# Altium PCB LimeSDR-X3_1v2.PcbDoc (part 13 of 25)
Units mm, origin at the board's own origin, x right, y up, seen from the top; angles counter-clockwise.
Board outline 232.5 x 111.15 mm, 12 copper layers (Top, L2, L3, L4, L5, L6, L7, L8, L9, L10, L11, Bottom), stack 1.596 mm thick; 2084 components, 1388 nets, 8919 pads, 3667 vias.
Unrouted connection lines stored in the file: 1.
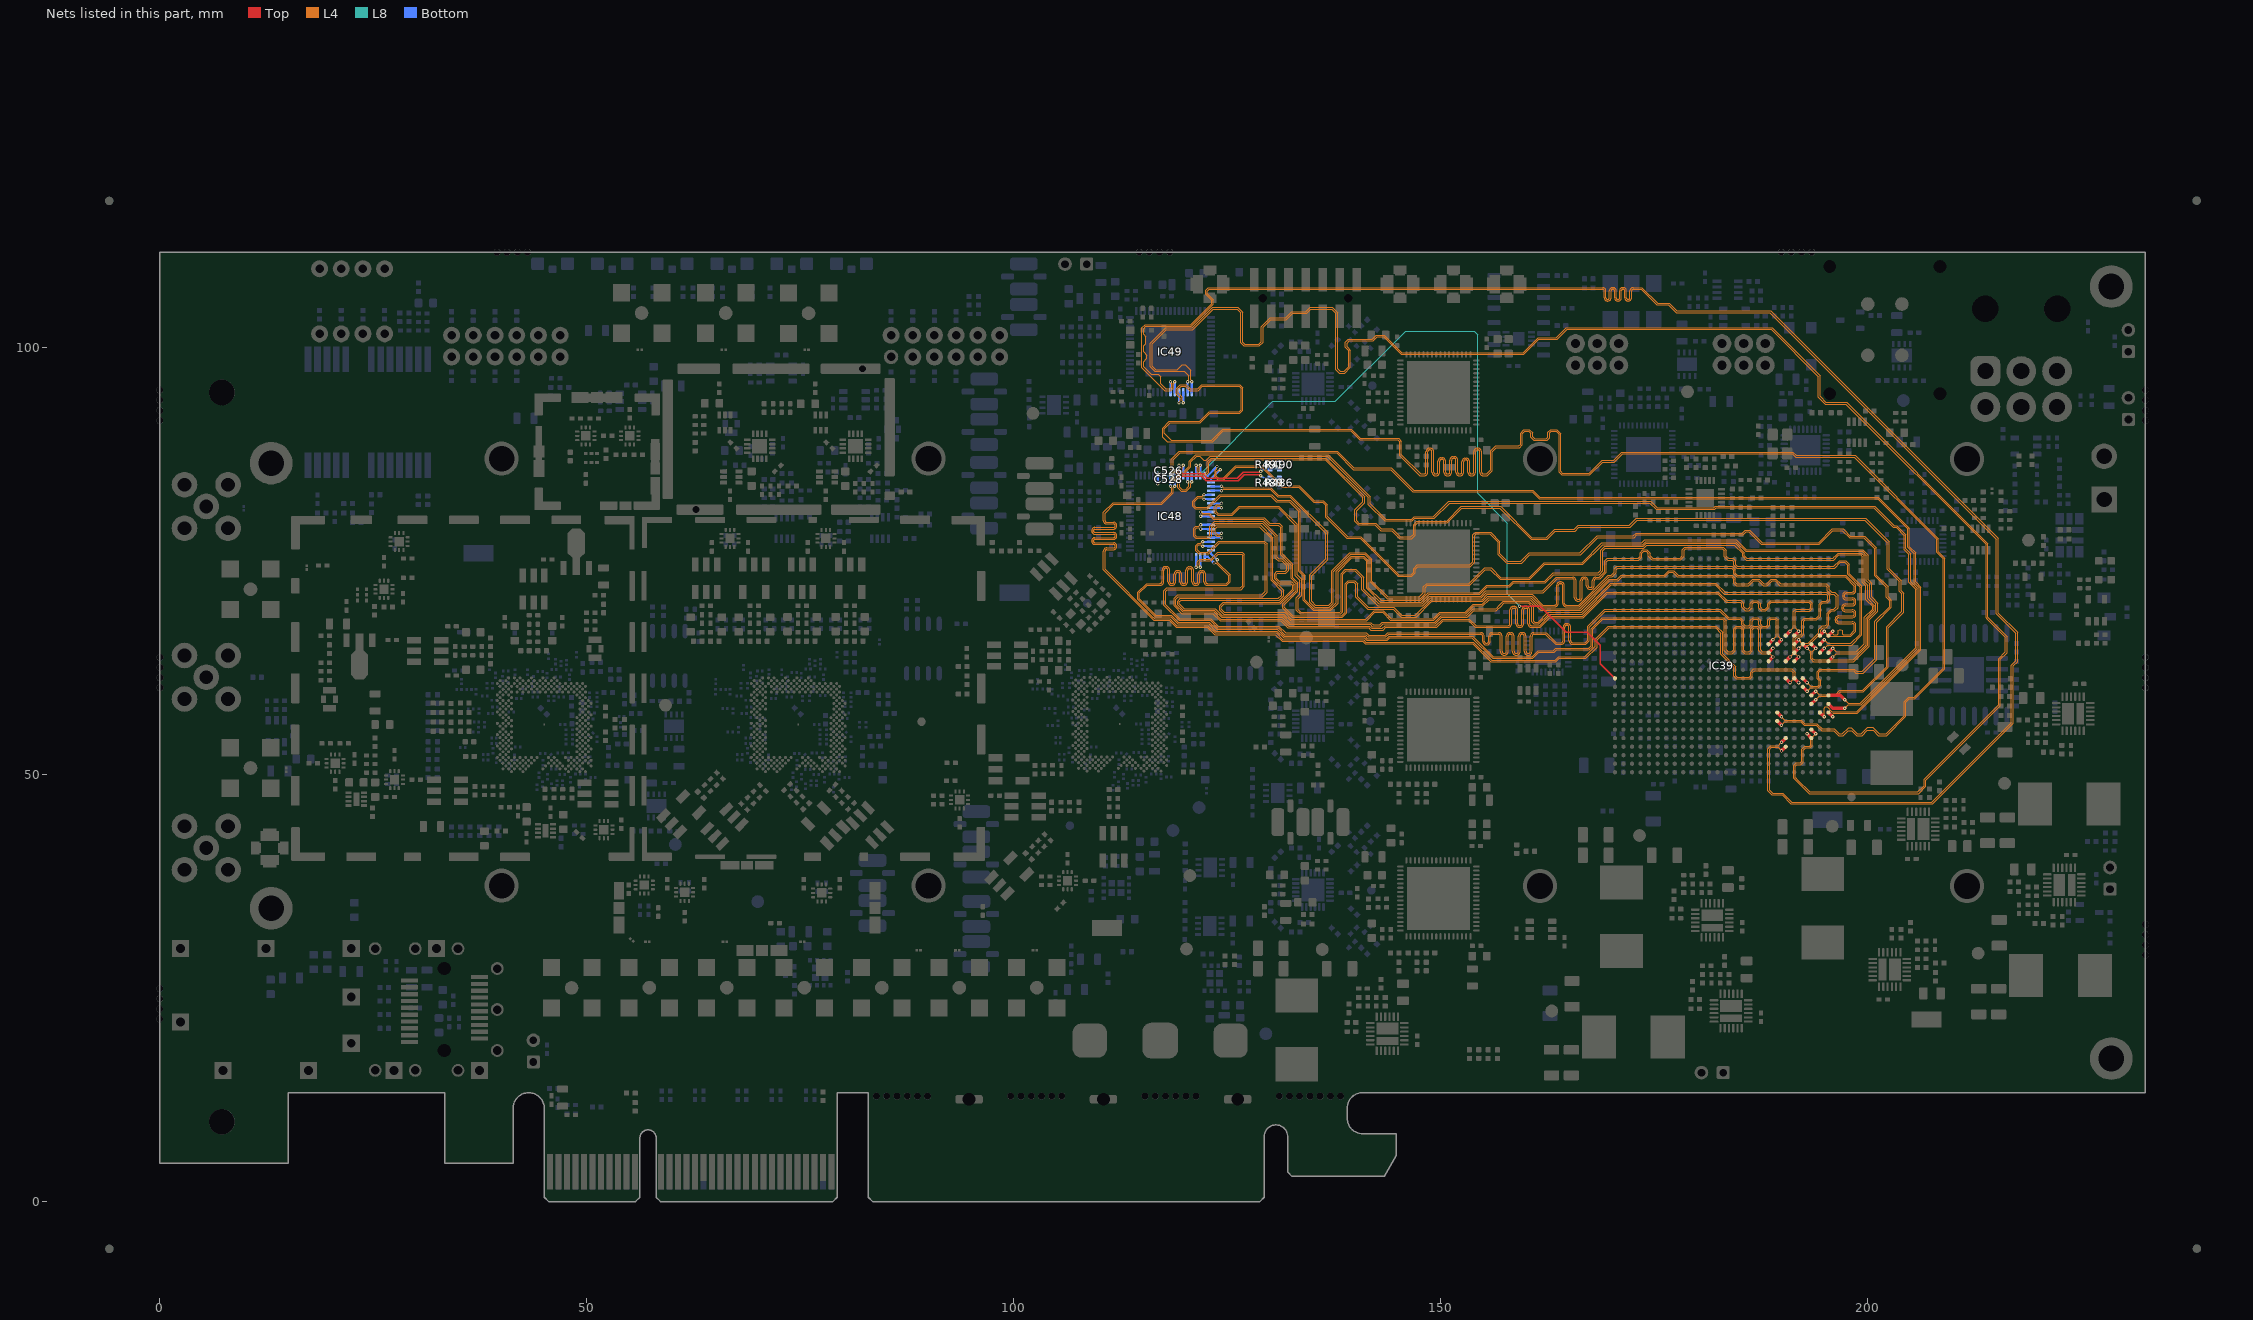
[diagram p23: the nets of this part, all layers, seen from the top]

## Via types
v1: diameter 0.4, hole 0.2, Top to Bottom, tented both sides, 3084 vias
v2: diameter 0.35, hole 0.2, Top to Bottom, tented both sides, 272 vias
v3: diameter 0.5, hole 0.2, Top to Bottom, tented bottom, 196 vias
v4: diameter 0.5, hole 0.2, Top to Bottom, tented both sides, 102 vias
v5: diameter 0.8, hole 0.4, Top to Bottom, tented both sides, 12 vias
v6: diameter 0.6, hole 0.3, Top to Bottom, tented both sides, 1 vias

## Nets (pads, with @x,y where several pads share a name; then routed paths per layer and width w, separated by ;. In a path a pad name is that pad's centre, name@x,y a point inside that pad or via, vN(x,y) a via of type N, cw(c..) or ccw(c..) an arc to the next point about the centre after c; other vN are vias at no path point) (continued)
LMS2_BB_DAC1_B3_N: IC39.T7 IC48.3 | length 124.3
  Top w0.4: IC39.T7@189.375,65.275 v1(189.875,65.775)
  L4 w0.1: v1(121.328,74.278) 121.328,74.337 121.478,74.487 121.478,74.903 121.8,75.225 123.041,75.225 123.841,76.025 126.733,76.025 126.975,75.783 126.975,72.042 126.608,71.675 117.975,71.675 117.769,71.469 117.769,69.902 119.421,68.25 123.053,68.25 123.903,67.4 131.021,67.4 131.821,66.6 141.278,66.6 141.553,66.325 141.614,66.325 ; 141.614,66.325 143.476,66.325 143.785,66.634 154.67,66.634 cw(c154.67,66.219) 155.085,66.219 155.085,65.604 ccw(c155.3,65.604) 155.3,65.389 155.37,65.389 ccw(c155.37,65.604) 155.585,65.604 155.585,66.219 cw(c156,66.219) 156,66.634 156.749,66.634 cw(c156.749,66.219) 157.164,66.219 157.164,64.415 ccw(c157.379,64.415) 157.379,64.2 157.449,64.2 ccw(c157.449,64.415) 157.664,64.415 157.664,66.219 cw(c158.079,66.219) 158.079,66.634 158.149,66.634 cw(c158.149,66.219) 158.564,66.219 158.564,64.415 ccw(c158.779,64.415) 158.779,64.2 158.849,64.2 ccw(c158.849,64.415) 159.064,64.415 159.064,66.219 cw(c159.479,66.219) 159.479,66.634 159.549,66.634 cw(c159.549,66.219) 159.964,66.219 159.964,64.415 ccw(c160.179,64.415) 160.179,64.2 160.249,64.2 ccw(c160.249,64.415) 160.464,64.415 160.464,66.219 cw(c160.879,66.219) 160.879,66.634 162.324,66.634 163.508,65.45 164.079,65.45 ccw(c164.079,65.665) 164.294,65.665 164.294,67.264 cw(c164.709,67.264) 164.709,67.679 164.779,67.679 cw(c164.779,67.264) 165.194,67.264 165.194,65.671 ccw(c165.415,65.671) 165.415,65.45 165.975,65.45 166.9,65.45 167.184,65.734 167.184,67.357 169.176,69.35 182.733,69.35 183.708,68.375 185.075,68.375 185.425,68.025 185.425,67.649 185.649,67.425 186.02,67.425 186.225,67.63 186.225,68.05 186.55,68.375 186.866,68.375 187.1,68.375 187.425,68.05 187.425,67.624 187.649,67.399 188.124,67.399 188.275,67.55 188.275,68.108 188.542,68.375 188.814,68.375 189.108,68.375 189.208,68.375 189.475,68.108 189.475,66.175 v1(189.875,65.775)
  Bottom w0.254: v1(121.328,74.278) IC48.3@121.328,75.503
LMS2_BB_DAC1_B3_P: IC39.T8 IC48.2 | length 123.6
  Top w0.4: IC39.T8@188.375,65.275 v1(188.875,65.775)
  L4 w0.1: v1(121.828,74.278) 121.828,74.337 121.678,74.487 121.678,74.82 121.883,75.025 123.124,75.025 123.924,75.825 126.65,75.825 126.775,75.7 126.775,72.125 126.525,71.875 117.892,71.875 117.569,71.552 117.569,69.819 119.338,68.05 122.97,68.05 123.82,67.2 130.938,67.2 131.738,66.4 141.195,66.4 141.47,66.125 141.531,66.125 143.559,66.125 143.868,66.434 154.67,66.434 cw(c154.67,66.219) 154.885,66.219 154.885,65.604 ccw(c155.3,65.604) 155.3,65.189 155.37,65.189 ccw(c155.37,65.604) 155.785,65.604 155.785,66.219 cw(c156,66.219) 156,66.434 156.749,66.434 cw(c156.749,66.219) 156.964,66.219 156.964,64.415 ccw(c157.379,64.415) 157.379,64 157.449,64 ccw(c157.449,64.415) 157.864,64.415 157.864,66.219 cw(c158.079,66.219) 158.079,66.434 158.149,66.434 cw(c158.149,66.219) 158.364,66.219 158.364,64.415 ccw(c158.779,64.415) 158.779,64 158.849,64 ccw(c158.849,64.415) 159.264,64.415 159.264,66.219 cw(c159.479,66.219) 159.479,66.434 159.549,66.434 cw(c159.549,66.219) 159.764,66.219 159.764,64.415 ccw(c160.179,64.415) 160.179,64 160.249,64 ccw(c160.249,64.415) 160.664,64.415 160.664,66.219 cw(c160.879,66.219) 160.879,66.434 162.241,66.434 163.425,65.25 164.079,65.25 ccw(c164.079,65.665) 164.494,65.665 164.494,67.264 cw(c164.709,67.264) 164.709,67.479 164.779,67.479 cw(c164.779,67.264) 164.994,67.264 164.994,65.671 ccw(c165.415,65.671) 165.415,65.25 165.892,65.25 166.983,65.25 167.384,65.651 167.384,67.274 169.259,69.15 182.65,69.15 183.625,68.175 184.738,68.175 ; 184.739,68.174 184.74,68.175 184.992,68.175 185.225,67.942 185.225,67.566 185.566,67.225 186.103,67.225 186.425,67.547 186.425,67.967 186.633,68.175 187.017,68.175 187.225,67.967 187.225,67.541 187.566,67.199 188.207,67.199 188.475,67.467 188.475,68.025 188.625,68.175 189.125,68.175 189.275,68.025 189.275,66.175 v1(188.875,65.775)
  Bottom w0.254: v1(121.828,74.278) IC48.2@121.828,75.503
LMS2_BB_DAC1_B4_N: IC39.P8 IC48.1 | length 123.9
  Top w0.4: IC39.P8@188.375,63.275 v1(188.875,63.775)
  L4 w0.1: v1(123.428,74.778) 123.47,74.737 123.682,74.737 125.125,73.293 125.125,72.65 124.85,72.375 122.652,72.375 cw(c122.652,72.59) 122.437,72.59 122.437,73.453 ccw(c122.022,73.453) 122.022,73.868 121.952,73.868 ccw(c121.952,73.453) 121.537,73.453 121.537,72.59 cw(c121.322,72.59) 121.322,72.375 121.252,72.375 cw(c121.252,72.59) 121.037,72.59 121.037,73.915 ccw(c120.622,73.915) 120.622,74.33 120.552,74.33 ccw(c120.552,73.915) 120.137,73.915 120.137,72.59 cw(c119.922,72.59) 119.922,72.375 119.852,72.375 cw(c119.852,72.59) 119.637,72.59 119.637,73.451 ccw(c119.222,73.451) 119.222,73.866 119.152,73.866 ccw(c119.152,73.451) 118.737,73.451 118.737,72.59 cw(c118.522,72.59) 118.522,72.375 118.452,72.375 cw(c118.452,72.59) 118.237,72.59 118.237,73.943 ccw(c117.822,73.943) 117.822,74.358 117.752,74.358 ccw(c117.752,73.943) 117.337,73.943 117.337,72.59 cw(c117.122,72.59) 117.122,72.375 115.525,72.375 114.5,71.35 114.5,70.517 116.542,68.475 118.347,68.475 119.172,67.65 122.804,67.65 123.654,66.8 130.772,66.8 131.572,66 141.029,66 141.304,65.725 141.366,65.725 143.725,65.725 144.025,66.025 153.625,66.025 156.05,63.6 160.758,63.6 161.458,64.3 163.249,64.3 163.549,64.6 167.384,64.6 167.784,64.999 167.784,67.001 168.958,68.175 182.975,68.175 183.2,67.95 183.2,64.525 183.55,64.175 184.133,64.175 184.466,64.509 184.466,66.991 184.65,67.175 185.05,67.175 185.275,66.95 185.275,64.471 185.571,64.175 186.133,64.175 186.45,64.492 186.45,66.975 186.675,67.2 187,67.2 187.225,66.975 187.225,64.51 187.56,64.175 188.475,64.175 v1(188.875,63.775)
  Bottom w0.254: IC48.1@122.328,75.503 122.703,75.503 v1(123.428,74.778)
LMS2_BB_DAC1_B4_P: IC39.R8 IC48.68 | length 123.8
  Top w0.4: IC39.R8@188.375,64.275 v1(188.875,64.775)
  L4 w0.1: v1@123.782,75.132 123.823,75.09 123.823,74.878 125.325,73.376 125.325,72.567 124.933,72.175 122.652,72.175 cw(c122.652,72.59) 122.237,72.59 122.237,73.453 ccw(c122.022,73.453) 122.022,73.668 121.952,73.668 ccw(c121.952,73.453) 121.737,73.453 121.737,72.59 cw(c121.322,72.59) 121.322,72.175 121.252,72.175 cw(c121.252,72.59) 120.837,72.59 120.837,73.915 ccw(c120.622,73.915) 120.622,74.13 120.552,74.13 ccw(c120.552,73.915) 120.337,73.915 120.337,72.59 cw(c119.922,72.59) 119.922,72.175 119.852,72.175 cw(c119.852,72.59) 119.437,72.59 119.437,73.451 ccw(c119.222,73.451) 119.222,73.666 119.152,73.666 ccw(c119.152,73.451) 118.937,73.451 118.937,72.59 cw(c118.522,72.59) 118.522,72.175 118.452,72.175 cw(c118.452,72.59) 118.037,72.59 118.037,73.943 ccw(c117.822,73.943) 117.822,74.158 117.752,74.158 ccw(c117.752,73.943) 117.537,73.943 117.537,72.59 cw(c117.122,72.59) 117.122,72.175 115.608,72.175 114.7,71.267 114.7,70.6 116.625,68.675 118.43,68.675 119.255,67.85 122.887,67.85 123.737,67 130.855,67 131.655,66.2 141.112,66.2 141.387,65.925 141.449,65.925 143.642,65.925 143.942,66.225 153.542,66.225 153.708,66.225 156.133,63.8 160.675,63.8 161.375,64.5 163.166,64.5 163.466,64.8 167.301,64.8 167.584,65.082 167.584,67.084 168.875,68.375 183.058,68.375 183.4,68.033 183.4,67.683 183.4,66.933 183.4,64.608 183.633,64.375 184.05,64.375 184.266,64.591 184.266,67.074 184.567,67.375 185.133,67.375 185.475,67.033 185.475,64.554 185.654,64.375 186.05,64.375 186.25,64.575 186.25,67.058 186.592,67.4 187.083,67.4 187.425,67.058 187.425,64.593 187.643,64.375 188.475,64.375 v1(188.875,64.775)
  Bottom w0.254: IC48.68@123.078,76.253 123.078,75.878 v1(123.803,75.153)
LMS2_BB_DAC1_B5_N: IC39.U5 IC48.67 | length 123.6
  Top w0.4: IC39.U5@191.375,66.275 v1(191.875,66.775)
  L4 w0.1: v1(122.103,76.753) 122.044,76.753 121.894,76.903 121.636,76.903 121.475,76.742 121.475,76.308 121.733,76.05 122.7,76.05 123.5,76.85 124,77.35 129.333,77.35 129.65,77.033 129.65,71.375 129.125,70.85 119.25,70.85 118.95,70.55 118.95,69.852 119.752,69.05 123.384,69.05 124.234,68.2 131.352,68.2 132.152,67.4 141.609,67.4 141.884,67.125 141.946,67.125 143.145,67.125 143.47,67.45 149.416,67.45 150.186,68.22 153.338,68.22 154.108,67.45 157.864,67.45 ccw(c157.864,67.665) 158.079,67.665 158.079,69.289 cw(c158.494,69.289) 158.494,69.704 158.564,69.704 cw(c158.564,69.289) 158.979,69.289 158.979,67.665 ccw(c159.194,67.665) 159.194,67.45 159.264,67.45 ccw(c159.264,67.665) 159.479,67.665 159.479,69.289 cw(c159.894,69.289) 159.894,69.704 159.964,69.704 cw(c159.964,69.289) 160.379,69.289 160.379,67.665 ccw(c160.594,67.665) 160.594,67.45 161.55,67.45 162.65,68.55 166.586,68.55 169.411,71.375 182.5,71.375 183.475,70.4 185.133,70.4 185.191,70.341 185.45,70.083 185.45,69.675 185.725,69.4 185.995,69.4 186.225,69.63 186.225,70.083 186.517,70.375 187.058,70.375 187.425,70.008 187.425,69.568 187.618,69.375 187.97,69.375 188.25,69.655 188.25,70.033 188.592,70.375 193.158,70.375 193.475,70.058 193.475,69.417 193.208,69.15 191.607,69.15 191.475,69.018 191.475,67.175 v1(191.875,66.775)
  Bottom w0.254: v1(122.103,76.753) IC48.67@123.078,76.753
LMS2_BB_DAC1_B5_P: IC39.U6 IC48.66 | length 123.9
  Top w0.4: IC39.U6@190.375,66.275 v1(190.875,66.775)
  L4 w0.1: v1(122.103,77.253) 122.044,77.253 121.894,77.103 121.553,77.103 121.275,76.825 121.275,76.225 121.65,75.85 122.783,75.85 124.083,77.15 129.25,77.15 129.45,76.95 129.45,71.458 129.042,71.05 119.167,71.05 118.75,70.633 118.75,69.769 119.669,68.85 123.301,68.85 124.151,68 131.269,68 132.069,67.2 141.526,67.2 141.801,66.925 141.863,66.925 143.228,66.925 143.553,67.25 149.499,67.25 150.269,68.02 153.255,68.02 154.025,67.25 157.864,67.25 ccw(c157.864,67.665) 158.279,67.665 158.279,69.289 cw(c158.494,69.289) 158.494,69.504 158.564,69.504 cw(c158.564,69.289) 158.779,69.289 158.779,67.665 ccw(c159.194,67.665) 159.194,67.25 159.264,67.25 ccw(c159.264,67.665) 159.679,67.665 159.679,69.289 cw(c159.894,69.289) 159.894,69.504 159.964,69.504 cw(c159.964,69.289) 160.179,69.289 160.179,67.665 ccw(c160.594,67.665) 160.594,67.25 161.633,67.25 162.733,68.35 166.669,68.35 169.494,71.175 182.417,71.175 183.392,70.2 185.05,70.2 185.109,70.141 185.25,70 185.25,69.592 185.642,69.2 186.078,69.2 186.425,69.547 186.425,70 186.6,70.175 186.975,70.175 187.225,69.925 187.225,69.486 187.536,69.175 188.053,69.175 188.45,69.572 188.45,69.95 188.675,70.175 193.075,70.175 193.275,69.975 193.275,69.5 193.125,69.35 191.524,69.35 191.275,69.101 191.275,67.175 v1(190.875,66.775)
  Bottom w0.254: v1(122.103,77.253) IC48.66@123.078,77.253
LMS2_BB_DAC1_B6_N: IC39.P5 IC48.65 | length 124.8
  Top w0.4: IC39.P5@191.375,63.275 v1(191.875,63.775)
  L4 w0.1: v1(124.303,77.753) 124.245,77.753 124.095,77.903 123.753,77.903 123.475,78.181 123.35,78.306 123.35,78.883 123.717,79.25 128.833,79.25 130.325,77.758 130.325,72.825 131.575,71.575 131.575,70.941 131.059,70.425 119.583,70.425 119.375,70.217 119.375,69.993 119.918,69.45 123.55,69.45 124.4,68.6 131.518,68.6 132.318,67.8 141.775,67.8 142.05,67.525 142.825,67.525 143.15,67.85 149.25,67.85 150.02,68.62 152.991,68.62 153.771,69.4 156.417,69.4 156.567,69.55 156.57,69.55 156.775,69.755 156.775,69.758 157.317,70.3 160.308,70.3 160.85,69.758 160.85,67.975 160.975,67.85 161.375,67.85 162.525,69 166.47,69 169.879,72.409 182.191,72.409 183.275,71.325 195.183,71.325 195.5,71.008 195.5,70.417 195.208,70.125 194.73,70.125 194.475,69.87 194.475,68.567 194.033,68.125 192.65,68.125 192.475,67.95 192.475,66.417 192.208,66.15 191.7,66.15 191.475,65.925 191.475,64.175 v1(191.875,63.775)
  Bottom w0.254: IC48.65@123.078,77.753 v1(124.303,77.753)
LMS2_BB_DAC1_B6_P: IC39.P6 IC48.64 | length 123.8
  Top w0.4: IC39.P6@190.375,63.275 v1(190.875,63.775)
  L4 w0.1: v1(124.303,78.253) 124.245,78.253 124.095,78.103 123.836,78.103 123.55,78.389 123.55,78.8 123.8,79.05 128.75,79.05 130.125,77.675 130.125,72.742 131.375,71.492 131.375,71.024 130.976,70.625 119.5,70.625 119.175,70.3 119.175,69.91 119.835,69.25 123.467,69.25 124.317,68.4 131.435,68.4 132.235,67.6 141.692,67.6 141.967,67.325 142.908,67.325 143.233,67.65 149.333,67.65 150.103,68.42 153.074,68.42 153.854,69.2 156.5,69.2 156.65,69.35 156.653,69.35 156.975,69.672 156.975,69.675 157.4,70.1 160.225,70.1 160.65,69.675 160.65,67.892 160.892,67.65 161.458,67.65 162.608,68.8 166.553,68.8 169.962,72.209 182.108,72.209 183.192,71.125 195.1,71.125 195.3,70.925 195.3,70.5 195.125,70.325 194.647,70.325 194.275,69.953 194.275,69.329 194.275,68.65 193.95,68.325 192.567,68.325 192.275,68.033 192.275,66.5 192.125,66.35 191.617,66.35 191.275,66.008 191.275,64.175 v1(190.875,63.775)
  Bottom w0.254: IC48.64@123.078,78.253 v1(124.303,78.253)
LMS2_BB_DAC1_B7_N: IC39.R5 IC48.63 | length 123.3
  Top w0.4: IC39.R5@191.375,64.275 v1(191.875,64.775)
  L4 w0.1: v1(121.853,78.753) 121.794,78.753 121.644,78.903 121.386,78.903 121.225,78.742 121.225,78 121.375,77.85 122.8,77.85 122.95,78 122.95,79.1 123.5,79.65 128.35,79.65 129.152,79.65 130.825,77.977 130.825,75.425 131.002,75.248 131.446,75.248 132.15,74.544 132.15,73.917 131.833,73.6 130.875,73.6 130.725,73.45 130.725,73 131.15,72.575 132.508,72.575 132.85,72.233 132.85,71.65 131.2,70 124.6,70 124.275,69.675 124.275,69.35 124.625,69 131.683,69 132.483,68.2 141.2,68.2 142.184,69.184 143.241,69.184 144.175,68.25 149.075,68.25 149.845,69.02 152.825,69.02 153.755,69.95 154.825,69.95 155.575,70.7 160.533,70.7 161.783,69.45 166.275,69.45 169.7,72.875 170.65,72.875 171.125,73.35 176.125,73.35 176.661,73.886 177.239,73.886 177.775,73.35 184.108,73.35 184.475,72.983 184.475,72.5 184.65,72.325 185.975,72.325 186.525,72.875 187.258,72.875 187.808,72.325 188.125,72.325 188.7,72.9 189.208,72.9 189.783,72.325 195.133,72.325 195.45,72.008 195.45,71.624 195.749,71.325 196.103,71.325 196.5,70.928 196.5,69.567 196.108,69.175 195.78,69.175 195.425,68.82 195.425,67.547 195.103,67.225 194.756,67.225 194.45,66.919 194.45,66.55 193.075,65.175 192.275,65.175 v1(191.875,64.775)
  Bottom w0.254: v1(121.853,78.753) IC48.63@123.078,78.753
LMS2_BB_DAC1_B7_P: IC39.T5 IC48.62 | length 123.3
  Top w0.4: IC39.T5@191.375,65.275 v1(191.875,65.775)
  L4 w0.1: v1(121.853,79.253) 121.794,79.253 121.644,79.103 121.303,79.103 121.025,78.825 121.025,77.917 121.292,77.65 122.883,77.65 123.15,77.917 123.15,79.017 123.583,79.45 129.069,79.45 130.625,77.894 130.625,75.342 130.919,75.048 131.363,75.048 131.95,74.461 131.95,74 131.75,73.8 130.792,73.8 130.525,73.533 130.525,72.917 131.067,72.375 132.425,72.375 132.65,72.15 132.65,71.733 131.117,70.2 124.517,70.2 124.075,69.758 124.075,69.267 124.542,68.8 131.6,68.8 132.4,68 141.283,68 142.266,68.984 143.159,68.984 144.092,68.05 149.158,68.05 149.928,68.82 152.908,68.82 153.838,69.75 154.908,69.75 155.658,70.5 160.45,70.5 161.7,69.25 166.358,69.25 169.783,72.675 170.733,72.675 171.208,73.15 176.208,73.15 176.744,73.686 177.156,73.686 177.692,73.15 184.025,73.15 184.275,72.9 184.275,72.417 184.567,72.125 186.058,72.125 186.608,72.675 187.175,72.675 187.725,72.125 188.208,72.125 188.783,72.7 189.125,72.7 189.7,72.125 195.05,72.125 195.25,71.925 195.25,71.541 195.666,71.125 196.02,71.125 196.3,70.845 196.3,69.65 196.025,69.375 195.697,69.375 195.225,68.903 195.225,67.63 195.02,67.425 194.674,67.425 194.25,67.001 194.25,66.633 192.992,65.375 192.275,65.375 v1(191.875,65.775)
  Bottom w0.254: v1(121.853,79.253) IC48.62@123.078,79.253
LMS2_BB_DAC1_B8_N: IC39.U1 IC48.60 | length 123.9
  Top w0.4: IC39.U1@195.375,66.275 v1(195.875,66.775)
  L4 w0.1: v1(121.853,80.253) 121.912,80.253 122.062,80.403 122.814,80.403 123.317,79.9 129.217,79.9 129.892,79.225 130.975,79.225 131.225,78.975 131.225,75.752 132.45,74.527 132.45,72.972 133.05,72.372 133.05,71.558 131.475,69.983 131.475,69.485 131.76,69.2 131.766,69.2 132.566,68.4 138.45,68.4 138.975,68.925 138.975,72.275 139.225,72.525 139.8,72.525 140.05,72.275 140.05,70.742 141.409,69.384 144.393,69.384 145.326,68.45 147.1,68.45 148.95,70.3 154.892,70.3 155.492,70.9 160.616,70.9 161.866,69.65 163.334,69.65 ccw(c163.334,70.065) 163.749,70.065 163.749,72.156 cw(c163.964,72.156) 163.964,72.371 164.034,72.371 cw(c164.034,72.156) 164.249,72.156 164.249,70.065 ccw(c164.664,70.065) 164.664,69.65 166.192,69.65 169.692,73.15 170.033,73.15 170.5,73.617 170.5,74 170.675,74.175 184.025,74.175 184.275,73.925 184.275,73.516 184.641,73.15 197.325,73.15 198.4,72.075 198.4,71.595 cw(c198.185,71.595) 198.185,71.38 197.44,71.38 ccw(c197.44,70.965) 197.025,70.965 197.025,70.895 ccw(c197.44,70.895) 197.44,70.48 198.185,70.48 cw(c198.185,70.265) 198.4,70.265 198.4,70.195 cw(c198.185,70.195) 198.185,69.98 197.346,69.98 ccw(c197.346,69.565) 196.931,69.565 196.931,69.495 ccw(c197.346,69.495) 197.346,69.08 198.185,69.08 cw(c198.185,68.865) 198.4,68.865 198.4,68.795 cw(c198.185,68.795) 198.185,68.58 196.57,68.58 ccw(c196.57,68.165) 196.155,68.165 196.155,68.095 ccw(c196.57,68.095) 196.57,67.68 198.185,67.68 cw(c198.185,67.465) 198.4,67.465 198.4,66.875 197.9,66.375 197.1,66.375 196.975,66.5 196.975,66.875 196.875,66.975 196.625,66.975 196.525,66.875 196.525,66.5 196.425,66.4 195.975,66.4 195.875,66.5 v1(195.875,66.775)
  Bottom w0.254: v1(121.853,80.253) IC48.60@123.078,80.253
LMS2_BB_DAC1_B8_P: IC39.U2 IC48.59 | length 124.5
  Top w0.4: IC39.U2@194.375,66.275 v1(194.875,66.775)
  L4 w0.1: v1(121.853,80.753) 121.912,80.753 122.062,80.603 122.897,80.603 123.4,80.1 129.3,80.1 129.975,79.425 131.058,79.425 131.425,79.058 131.425,75.834 132.65,74.609 132.65,73.055 133.25,72.455 133.25,71.475 131.675,69.9 131.675,69.568 131.843,69.4 131.849,69.4 132.649,68.6 138.367,68.6 138.775,69.008 138.775,72.358 139.142,72.725 139.883,72.725 140.25,72.358 140.25,70.825 141.491,69.584 144.476,69.584 145.409,68.65 147.017,68.65 148.867,70.5 154.809,70.5 155.409,71.1 160.699,71.1 161.949,69.85 163.334,69.85 ccw(c163.334,70.065) 163.549,70.065 163.549,72.156 cw(c163.964,72.156) 163.964,72.571 164.034,72.571 cw(c164.034,72.156) 164.449,72.156 164.449,70.065 ccw(c164.664,70.065) 164.664,69.85 166.109,69.85 169.609,73.35 169.95,73.35 170.3,73.7 170.3,74.083 170.592,74.375 184.108,74.375 184.475,74.008 184.475,73.599 184.724,73.35 197.408,73.35 198.6,72.158 198.6,71.595 cw(c198.185,71.595) 198.185,71.18 197.44,71.18 ccw(c197.44,70.965) 197.225,70.965 197.225,70.895 ccw(c197.44,70.895) 197.44,70.68 198.185,70.68 cw(c198.185,70.265) 198.6,70.265 198.6,70.195 cw(c198.185,70.195) 198.185,69.78 197.346,69.78 ccw(c197.346,69.565) 197.131,69.565 197.131,69.495 ccw(c197.346,69.495) 197.346,69.28 198.185,69.28 cw(c198.185,68.865) 198.6,68.865 198.6,68.795 cw(c198.185,68.795) 198.185,68.38 196.57,68.38 ccw(c196.57,68.165) 196.355,68.165 196.355,68.095 ccw(c196.57,68.095) 196.57,67.88 198.185,67.88 cw(c198.185,67.465) 198.6,67.465 198.6,66.792 197.983,66.175 195.475,66.175 v1(194.875,66.775)
  Bottom w0.254: v1(121.853,80.753) IC48.59@123.078,80.753
LMS2_BB_DAC1_B9_N: IC39.R2 IC48.58 | length 123.8
  Top w0.4: IC39.R2@194.375,64.275 v1(194.875,64.775)
  L4 w0.1: v1(124.303,81.253) 124.245,81.253 124.095,81.403 123.836,81.403 123.675,81.242 123.675,80.808 123.933,80.55 125.492,80.55 126.367,81.425 131.025,81.425 133.15,79.3 133.15,73.375 133.675,72.85 133.675,71.017 133.275,70.617 133.275,69.333 133.583,69.025 138.175,69.025 138.3,69.15 138.3,73.533 138.817,74.05 140.008,74.05 140.95,73.108 140.95,71.725 142.691,69.984 147.785,69.984 148.701,70.9 154.644,70.9 155.244,71.5 161.9,71.5 163.525,73.125 165.417,73.125 cw(c165.417,72.71) 165.832,72.71 165.832,70.728 ccw(c166.047,70.728) 166.047,70.513 166.117,70.513 ccw(c166.117,70.728) 166.332,70.728 166.332,72.71 cw(c166.747,72.71) 166.747,73.125 166.817,73.125 cw(c166.817,72.71) 167.232,72.71 167.232,72.128 ccw(c167.447,72.128) 167.447,71.913 167.517,71.913 ccw(c167.517,72.128) 167.732,72.128 167.732,72.71 cw(c168.147,72.71) 168.147,73.125 168.55,73.125 169.175,73.75 169.175,75.021 169.479,75.325 173.1,75.325 173.325,75.55 173.325,76.003 173.647,76.325 174.103,76.325 174.5,75.928 174.5,75.625 174.775,75.35 178,75.35 178.275,75.625 178.275,76.356 178.569,76.65 183.033,76.65 183.4,76.283 183.4,75.597 183.672,75.325 184.209,75.325 184.5,75.034 184.5,74.575 184.7,74.375 196.017,74.375 196.692,75.05 197.377,75.05 197.808,74.619 197.808,73.516 199.275,72.049 199.275,66.367 198.083,65.175 195.275,65.175 v1(194.875,64.775)